# Altium PCB cat.PcbDoc (part 2 of 3)
Units mm, origin at the board's own origin, x right, y up, seen from the top; angles counter-clockwise.
Board outline 65 x 116 mm, 4 copper layers (Top Layer, Layer 2, Layer 3, Bottom Layer), stack 1.518 mm thick; 267 components, 134 nets, 808 pads, 579 vias.
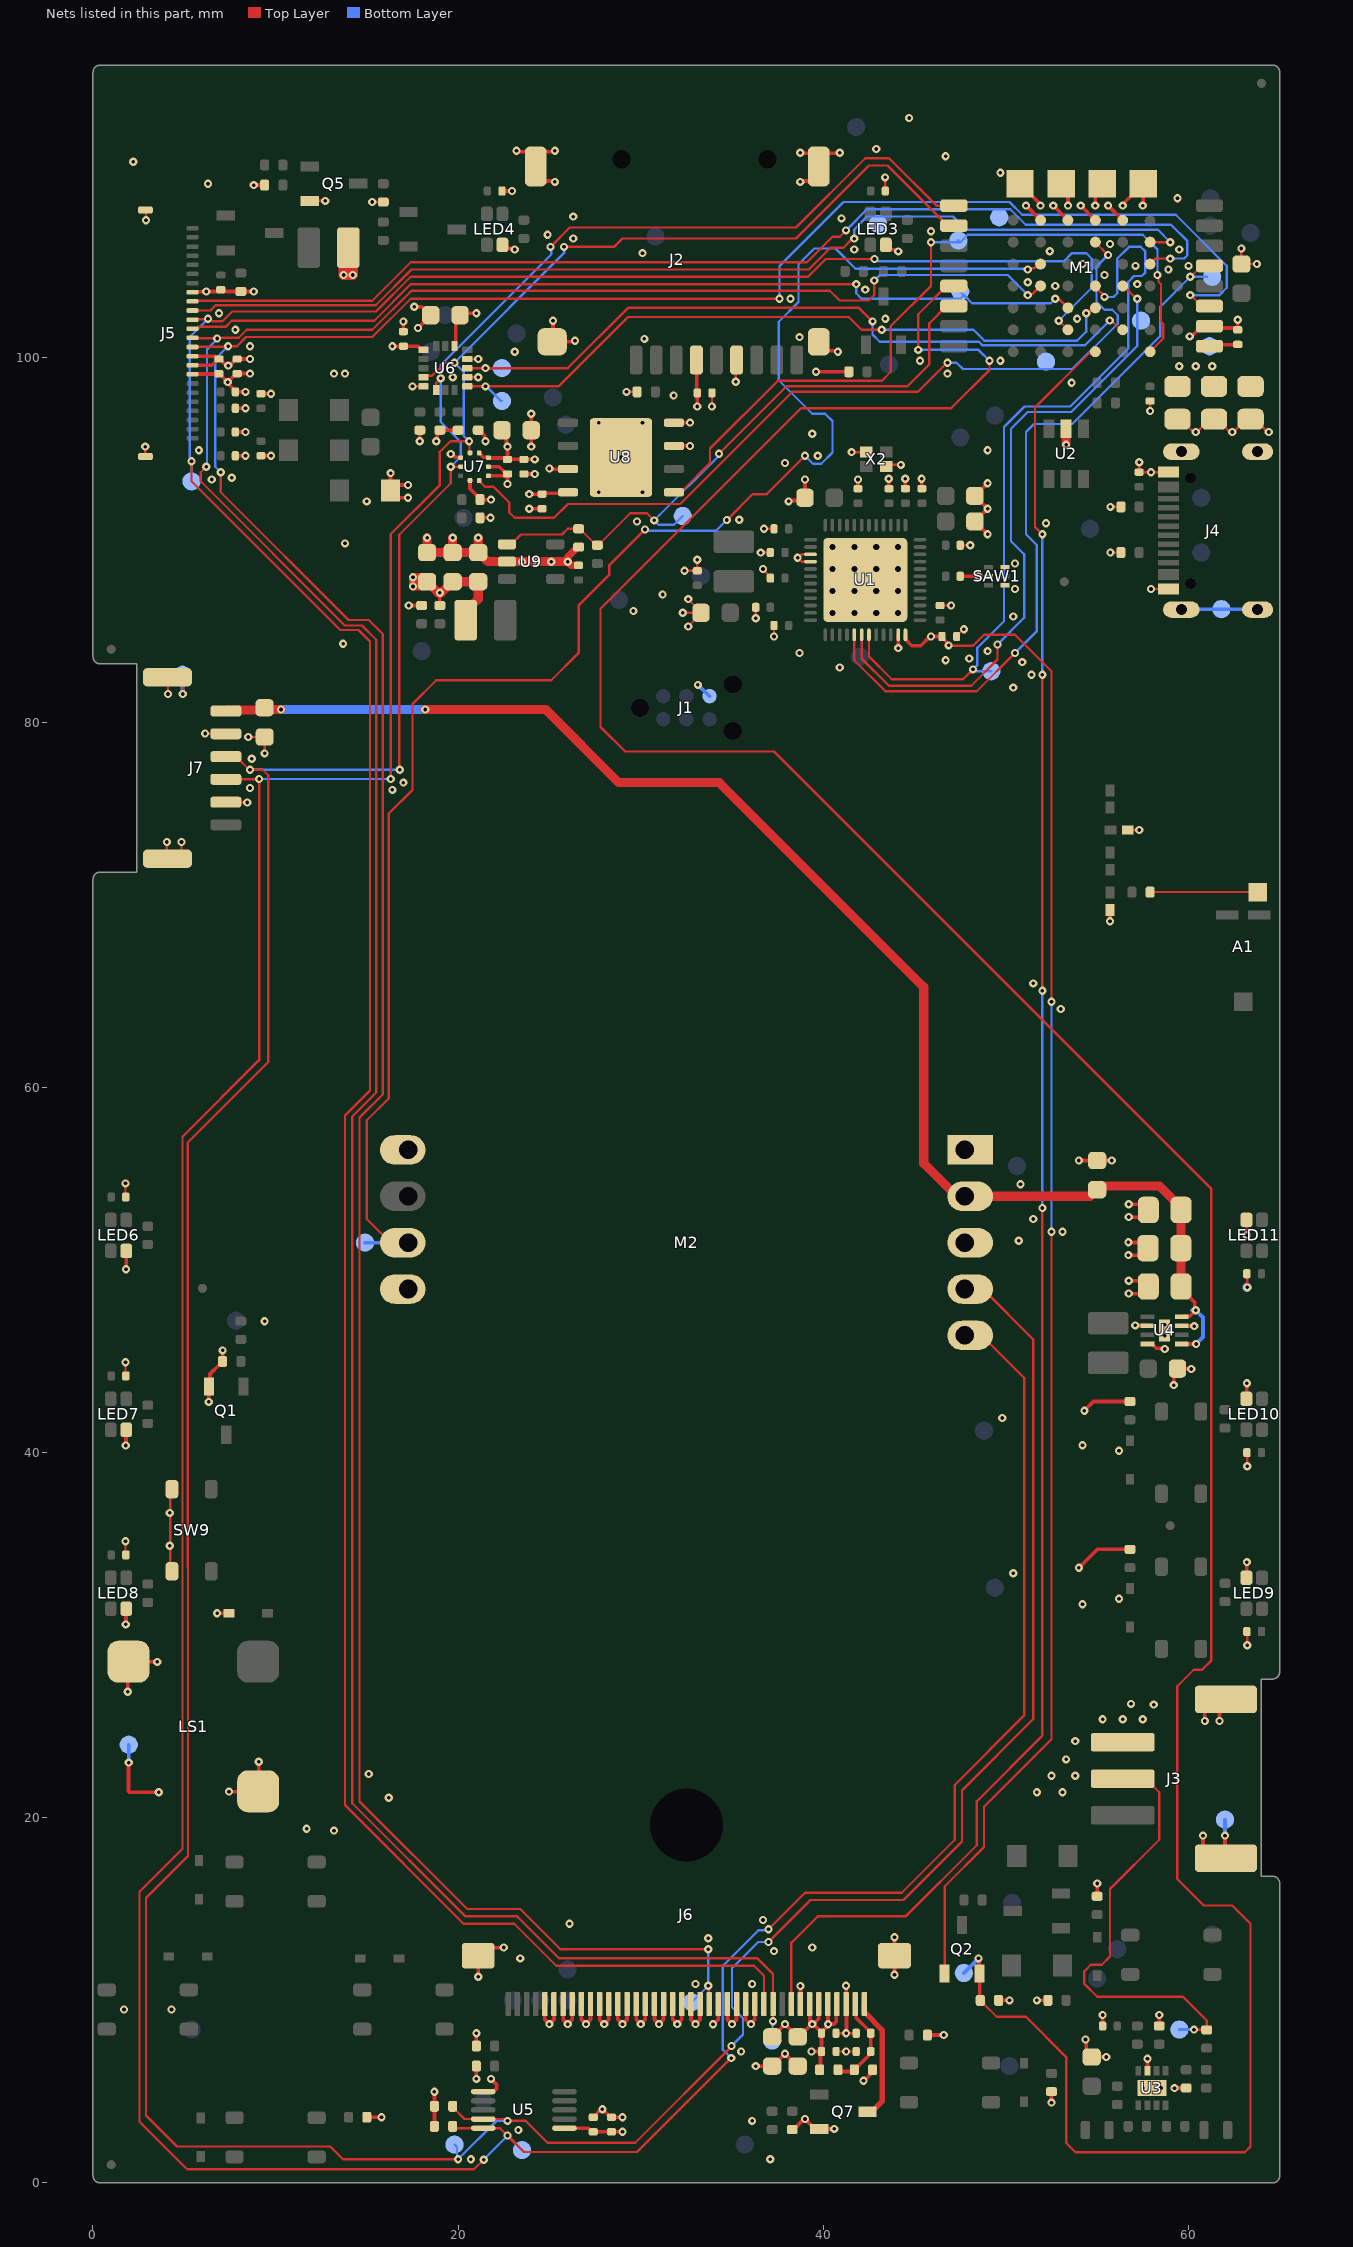
[diagram p4: the nets of this part, all layers, seen from the top]

## Part data (continued)
J4: library part USB4105-GF-A, "USB-C 2.0 Female Connector", Alternate Manufacturer="Korean HROparts Elec", Flammability Rating="UL94 V-0", Insulation Color=Black, Manufacturer="Global Connector Technology", Manufacturer Part Number=TYPE-C-31-M-12, Max Operating Temperature=85°C, Min Operating Temperature=-40°C, Supplier Part Number 1=3588205, Alternate Part Number=USB4105-GF-A, Category="USB Connectors", ComponentLink1Description=https://gct.co/files/drawings/usb4105.pdf?src-supplier=Digi-Key, ComponentLink1URL=https://gct.co/files/drawings/usb4105.pdf?src-supplier=Digi-Key, Connector Type=USB, Contact Plating=Gold, Gender=Receptacle, house_part_number=USB_C_2.0_M12, Mating Cycles=10000, Mounting Technology="Surface Mount,Through Hole,Horizontal", Number of Ports=1, Pricing="1=1, 20=3.07, 60=3.02, 160=2.64, 400=2.63 (EUR)", RoHS=No, Series=USB4105, Shielding=Shielded, Stock=1499, Supplier 1=Farnell, Termination=Solder
J5: library part FH34SRJ-24S-0.5SH, "24-Pin FPC Connector, 0.5mm pitch for E2206KS0E1 E-Paper display", Actuator Color=Black, Flammability Rating="UL94 V-0", Housing Color=Grey, Manufacturer=Hirose, Manufacturer Part Number=FH34SRJ-24S-0.5SH(99), Max Operating Temperature=85°C, Min Operating Temperature=-55°C, Supplier Part Number=2094306, Supplier Part Number 1=H124725CT-ND, Voltage Rating=50V, Actuator Material=Nylon,Polyamide, Category="FFC / FPC", ComponentLink1Description=https://www.hirose.com/product/en/download_file/key_name/FH34SRJ/category/Catalog/doc_file_id/31646/?file_category_id=4&item_id=27&is_series=1&src-supplier=Digikey, ComponentLink1URL=https://www.hirose.com/product/en/download_file/key_name/FH34SRJ/category/Catalog/doc_file_id/31646/?file_category_id=4&item_id=27&is_series=1&src-supplier=Digikey, Contact Material=Bronze, Contact Plating=Gold, contact_side="Top and Bottom contacts", Housing Material=Polymer, Mating Cycles=20, Mounting Technology="Surface Mount", Number of Positions=24, Packaging="Cut Tape", Pins=24, Pricing="500=1.61, 1000=1.59, 1500=1.56 (USD)", RoHS=Yes, RoHS Compliant=Yes, Series=FH34SRJ, Stock=500, Supplier="Future Electronics", Supplier 1=Digikey, Termination=Solder
J6: library part "0.5-40P XJH2.0 043", "40-Pin, 0.5 mm pitch, bottom contact, flat flex connector for LCD CH240QV23A-T", LCD Part Number=CH240QV23A-T, Supplier Part Number 1=C5373441, contact_side="Bottom Contacts", house_part_number="0.5-40P XJH2.0 043", Manufacturer Part Number="0.5-40P XJH2.0 043", Supplier 1=LCSC
J7: library part SM06B-GHS-TB(LF)(SN), "6-Pin JST GH header, 1.25mm pitch, SMD right angle", Manufacturer=JST, Supplier Part Number 1=C133065, Category="Headers and Wire Housings", ComponentLink1Description=https://datasheet.ciiva.com/25617/0900766b810cef18-25617251.pdf?src-supplier=Rs, ComponentLink1URL=https://datasheet.ciiva.com/25617/0900766b810cef18-25617251.pdf?src-supplier=Rs, ComponentLink2Description=https://datasheet.ciiva.com/16487/jstsm06b-ghs-tb-lf-sn-16487196.pdf?src-supplier=Future+Electronics, ComponentLink2URL=https://datasheet.ciiva.com/16487/jstsm06b-ghs-tb-lf-sn-16487196.pdf?src-supplier=Future+Electronics, Manufacturer Part Number=SM06B-GHS-TB(LF)(SN), Pricing 1="5=0.1587, 50=0.1251, 150=0.1087, 500=0.094, 2500=0.09, 5000=0.0876 (USD)", RoHS=Yes, Stock 1=1425, Supplier 1=LCSC
JP1 JP2 JP3 JP4 JP6 JP7 JP8 JP9 JP10 JP12 JP13 JP14 JP15 R10 R11 R22 R38 R39: "0 Ω, 0402 Chip resistor (jumper)", Case Code (Imperial)=0402, Case Code (Metric)=1005, Manufacturer=Yageo, Max Operating Temperature=155°C, Max Power Dissipation=63mW, Min Operating Temperature=-55°C, Power Rating=62.5mW, Temperature Coefficient=200ppm/°C, Tolerance=1%, Voltage Rating=50V, Category="Chip SMD Resistors", Contact Plating=Tin,Matte, Features="Moisture Resistant", Height=0.35mm, house_part_number=R-0-0402-1%-001, Lead Free=5697LeadFree, Length=1mm, Manufacturer Part Number=RC0402FR-070RL, Mounting Technology="Surface Mount", Number of Terminations=2, Packaging="Tape and Reel", Pricing="10000=0.00093 (USD)", RoHS=Yes, RoHS Compliant=Yes, Series=RC, Stock=580000, Supplier 1=Avnet, Supplier Part Number 1=RC0402FR-070RL, Termination=SMD/SMT, Width=0.5mm
  JP1 JP2 JP12 JP13 JP14 JP15 R10 R11 R22 R38 R39: Case/Package=0402
L1 L6: library part L0402-7n5-Multilayer_Murata, "Inductor, 550mA, ±2%, 240mΩ", Manufacturer=Murata, Manufacturer Part Number=LQG15HS7N5G02D, Part number IPS=N.A., Part number NEMS=100300446, Supplier Part Number 1=490-LQG15HS7N5G02DTR-ND, Artikkelnr Noca=N.A., Author=hany, Component Class=Inductors, Component Status=Active, ComponentLink1Description=Datasheet, ComponentLink1URL=https://search.murata.co.jp/Ceramy/image/img/P02/JELF243B-0010.pdf, ComponentLink2Description="Supplier link", ComponentLink2URL=N.A., Footprint Doc=0402, HelpURL=https://search.murata.co.jp/Ceramy/image/img/P02/JELF243B-0010.pdf, LatestRevisionDate=2023-06-06, Note="-55°C ~ 125°C", Pad Count=2, Part Number=L0402-7n5-Multilayer_Murata, Part number Norautron=N.A., PartId=100300446, Published=2023-06-06, Supplier 1=Digi-Key, Supplier 2=Mouser, Supplier Part Number 2=81-LQG15HS7N5J02D
L2: "3.3 μH, 1.8 A, 1008 Inductor", Case Code (Imperial)=1008, Case Code (Metric)=2520, Current Rating=1.8A, DC Resistance (DCR)=135mR, Manufacturer=Murata, Manufacturer Part Number=DFE252012F-3R3M=P2, Max Operating Temperature=125°C, Min Operating Temperature=-40°C, Saturation Current=2.8A, Test Frequency=1MHz, Tolerance=20%, Case/Package=1008, Category="Fixed Inductors", ComponentLink1Description=http://www.murata.com/~/media/webrenewal/products/inductor/chip/tokoproducts/wirewoundmetalalloychiptype/m_dfe252012f.ashx?src-supplier=Digikey, ComponentLink1URL=http://www.murata.com/~/media/webrenewal/products/inductor/chip/tokoproducts/wirewoundmetalalloychiptype/m_dfe252012f.ashx?src-supplier=Digikey, ComponentLink2Description=https://www.murata.com/~/media/webrenewal/products/inductor/chip/tokoproducts/wirewoundmetalalloychiptype/m_dfe252012f.ashx?src-supplier=Digikey, ComponentLink2URL=https://www.murata.com/~/media/webrenewal/products/inductor/chip/tokoproducts/wirewoundmetalalloychiptype/m_dfe252012f.ashx?src-supplier=Digikey, ComponentLink3Description=https://datasheet.octopart.com/DFE252012F-3R3M%3DP2-Murata-datasheet-150009032.pdf?src-supplier=Arrow.cn, ComponentLink3URL=https://datasheet.octopart.com/DFE252012F-3R3M%3DP2-Murata-datasheet-150009032.pdf?src-supplier=Arrow.cn, Core Material=Ferrite, Height - Seated (Max)=0.047inch, house_part_number=L-3.3uH-1008-002, Length=0.098inch, Mounting Technology="Surface Mount", Packaging="Cut Tape", Pricing="1=0.1101 (USD)", RoHS=Yes, RoHS Compliant=Yes, Series=DFE252012F, Shielding=Shielded, Stock=8, Supplier 1="Arrow Electronics", Supplier Part Number 1=DFE252012F-3R3M=P2, Width=0.079inch
L3 L8: "1 μH, 4.2 A, 1008 Inductor", Manufacturer=Sumida, Package=1008, Supplier Part Number 1=308-2603-1-ND, Category="Fixed Inductors", house_part_number=L-1uH-1008-002, Manufacturer Part Number=252012CDMCDDS-1R0MC, Pricing="1=0.55, 10=0.473, 25=0.434, 50=0.3944, 100=0.3511, 250=0.33132, 500=0.284, 1000=0.25245 (USD)", RoHS=No, Stock=45912, Supplier=Digikey
L4: "Drum Core Shielded Power Inductor Wirewound Ferrite 10uH 20% 1MHz 0.85A SMD T/R", Case/Package=2520, Current Rating=850mA, DC Resistance (DCR)=480mR, Manufacturer=Pulse, Max Operating Temperature=125°C, Min Operating Temperature=-40°C, Saturation Current=1.1A, Self Resonant Frequency=14MHz, Supplier Part Number=553-3314-1-ND, Test Frequency=1MHz, Tolerance=20%, Category="Fixed Inductors", ComponentLink1Description=https://datasheet.octopart.com/PA4335.103NLT-Pulse-datasheet-151940520.pdf?src-supplier=Master+Electronics, ComponentLink1URL=https://datasheet.octopart.com/PA4335.103NLT-Pulse-datasheet-151940520.pdf?src-supplier=Master+Electronics, ComponentLink2Description=https://datasheet.octopart.com/PA4335.103NLT-Pulse-datasheet-137333241.pdf?src-supplier=Sager+Electronics, ComponentLink2URL=https://datasheet.octopart.com/PA4335.103NLT-Pulse-datasheet-137333241.pdf?src-supplier=Sager+Electronics, Core Material=Ferrite, Height - Seated (Max)=0.047inch, Length=0.106inch, Manufacturer Part Number=PA4335.103NLT, Mounting Technology="Surface Mount", Packaging="Cut Tape", Pricing="1=0.36, 10=0.309, 25=0.2832, 50=0.2572, 100=0.229, 250=0.21612, 500=0.18526, 1000=0.16467 (USD)", RoHS=Yes, RoHS Compliant=Yes, Series=PA4335, Shielding=Shielded, Stock=13968, Supplier=Digikey, Width=0.087inch
L5 L7: library part L0402-2n7-Multilayer_Murata, "Inductor, 800mA, ±2%, 120mΩ", Manufacturer=Murata, Manufacturer Part Number=LQG15HS2N7B02D, Part number IPS=N.A., Part number NEMS=100300445, Supplier Part Number 1=490-LQG15HS2N7B02DTR-ND, Artikkelnr Noca=N.A., Author=hany, Component Class=Inductors, Component Status=Active, ComponentLink1Description=Datasheet, ComponentLink1URL=https://search.murata.co.jp/Ceramy/image/img/P02/JELF243B-0010.pdf, ComponentLink2Description="Supplier link", ComponentLink2URL=N.A., Footprint Doc=0402, HelpURL=https://search.murata.co.jp/Ceramy/image/img/P02/JELF243B-0010.pdf, LatestRevisionDate=2023-06-06, Note="-55°C ~ 125°C", Pad Count=2, Part Number=L0402-2n7-Multilayer_Murata, Part number Norautron=N.A., PartId=100300445, Published=2023-06-06, Supplier 1=Digi-Key, Supplier 2=Mouser, Supplier Part Number 2=81-LQG15HS2N7B02D
LED1: "Red LED, 1.9 - 2.3 V, 20 mA, 0603", Current=20mA, Forward Voltage=2.3V, Manufacturer=XINGLIGHT, Supplier Part Number 1=C965799, house_part_number=XL-1608SURC-06, Manufacturer Part Number=XL-1608SURC-06, Pricing 1="100=0.0029, 1000=0.0022, 4000=0.0019, 8000=0.0017, 48000=0.0015 (USD)", RoHS=No, Stock 1=3172200, Supplier 1=LCSC
LED2: "Green LED, 2.7 - 3.3 V, 20 mA, 0603", Current=20mA, Forward Voltage=3.3V, Manufacturer=XINGLIGHT, Supplier Part Number 1=C965804, house_part_number=XL-1608UGC-04, Manufacturer Part Number=XL-1608UGC-04, Pricing 1="100=0.0042, 1000=0.0033, 4000=0.0027, 8000=0.0024, 48000=0.0023, 100000=0.0022 (USD)", RoHS=No, Stock 1=2830700, Supplier 1=LCSC
LED3 LED4 LED7 LED9 LED11: library part XL-1615RGBC-WS2812B, "1-wire addressable RGB LED, 1615", Manufacturer=XINGLIGHT, Package=1615, Supplier Part Number 1=C5349954, Manufacturer Part Number=XL-1615RGBC-WS2812B, Pricing 1="10=0.0454, 100=0.0362, 300=0.0315, 1000=0.0276, 4000=0.0263, 8000=0.0253 (USD)", RoHS=No, Stock 1=257799, Supplier 1=LCSC
LED6 LED8 LED10: "1-wire addressable RGB LED, 1615", Manufacturer=XINGLIGHT, Package=1615, Supplier Part Number 1=C5349954, Manufacturer Part Number=XL-1615RGBC-WS2812B, Pricing 1="10=0.0454, 100=0.0362, 300=0.0315, 1000=0.0276, 4000=0.0263, 8000=0.0253 (USD)", RoHS=No, Stock 1=257799, Supplier 1=LCSC
LS1: "16 Ω, 8.5 mm x 8.5 mm, SMD speaker", Manufacturer=S&S, Package=8585, Resistance=16Ω, Supplier Part Number 1=C2685545, Category=Uncategorized, house_part_number=SMD-8503-3627-16, Manufacturer Part Number=SMD-8503-3627-16, Pricing 1="5=0.2676, 50=0.2148, 150=0.1922, 1000=0.1559, 2000=0.1433, 5000=0.1358 (USD)", RoHS=No, Stock 1=6390, Supplier 1=LCSC
M1: library part BT40, "Bluetooth Module: 802.15.1 BLE 5.1, 802.15.4, nRF5340, PCB trace antenna", Manufacturer=Fanstel, Supplier Part Number=1914-BT40CT-ND, Manufacturer Part Number=BT40, Pricing="1=13.74, 10=12.435, 25=11.4536, 100=10.4717, 250=9.8172, 500=9.16272 (USD)", RoHS=No, Stock=407, Supplier=Digikey, Supplier 1=Digikey, Supplier Part Number 1=1914-BT40CT-ND
M2: library part 006-0-0008, "Sensair CO2 sensor", Manufacturer Part Number=006-0-0008
Q1 Q2 Q5 Q6 Q7 Q8: library part AO3400A, "N-FET, 30V, 5.7A, SOT-23-3", Case/Package=SOT-23-3, Continuous Drain Current (ID)=5.7A, Drain to Source Breakdown Voltage=30V, Drain to Source Resistance=18mR, Input Capacitance=630pF, Manufacturer="Alpha & Omega Semiconductor", Max Operating Temperature=150°C, Max Power Dissipation=1.4W, Min Operating Temperature=-55°C, Threshold Voltage=650mV, Category=MOSFETs, ComponentLink1Description=https://datasheet.ciiva.com/940/ao3400a-940739.pdf?src-supplier=Digikey, ComponentLink1URL=https://datasheet.ciiva.com/940/ao3400a-940739.pdf?src-supplier=Digikey, ComponentLink2Description=https://datasheet.ciiva.com/26906/getdatasheetpartid-64438-26906526.pdf?src-supplier=Verical, ComponentLink2URL=https://datasheet.ciiva.com/26906/getdatasheetpartid-64438-26906526.pdf?src-supplier=Verical, ComponentLink3Description=https://datasheet.ciiva.com/940/ao3400a-940740.pdf?src-supplier=Digikey, ComponentLink3URL=https://datasheet.ciiva.com/940/ao3400a-940740.pdf?src-supplier=Digikey, ComponentLink4Description=https://datasheet.ciiva.com/940/ao3400a-940741.pdf?src-supplier=Digikey, ComponentLink4URL=https://datasheet.ciiva.com/940/ao3400a-940741.pdf?src-supplier=Digikey, Drain to Source Voltage (Vdss)=30V, Height=1.25mm, house_part_number=AO3400A, Lead Free="Lead Free", Manufacturer Part Number=AO3400A, Mounting Technology="Surface Mount", Number of Channels=1NUMBER, Packaging="Cut Tape", Pricing="3000=0.0899, 6000=0.0869, 9000=0.0763, 30000=0.0746, 75000=0.0627 (USD)", Rds On Max=26.5mR, RoHS=Yes, RoHS Compliant=Yes, Series=-, Stock=141000, Supplier="Arrow Electronics", Supplier Part Number 1=AO3400A, Turn-Off Delay Time=25ns, Turn-On Delay Time=3ns
Q3 Q4: library part AO3415A, "P-FET, 30V, 6A, SOT-23-3", Case/Package=SOT-23-3, Continuous Drain Current (ID)=5A, Drain to Source Voltage (Vdss)=20V, Input Capacitance=940pF, Manufacturer="Alpha & Omega Semiconductor", Max Operating Temperature=150°C, Max Power Dissipation=1.5W, Min Operating Temperature=-55°C, Supplier Part Number 1=C133233, Threshold Voltage=8mV, Category=MOSFETs, ComponentLink1Description=https://datasheet.ciiva.com/940/ao3415-940752.pdf?src-supplier=Digikey, ComponentLink1URL=https://datasheet.ciiva.com/940/ao3415-940752.pdf?src-supplier=Digikey, ComponentLink2Description=https://datasheet.ciiva.com/940/ao3415-940753.pdf?src-supplier=Digikey, ComponentLink2URL=https://datasheet.ciiva.com/940/ao3415-940753.pdf?src-supplier=Digikey, house_part_number=AO3415A, Manufacturer Part Number=AO3415A, Mounting Technology="Surface Mount", Packaging="Cut Tape", Pins=3, Pricing="3000=0.3033, 6000=0.3003, 9000=0.2972, 15000=0.2942, 24000=0.2912, 30000=0.2881 (USD)", Rds On Max=45mΩ, RoHS=Yes, RoHS Compliant=Yes, Series=-, Stock=21000, Supplier="Arrow Electronics", Supplier 1=LCSC, Supplier Part Number=AO3415A, Turn-Off Delay Time=19ps, Turn-On Delay Time=13ps
R1 R2 R3 R4 R14 R16 R26 R36 R37: "5.1 kΩ, 0402 Chip resistor", Case Code (Imperial)=0402, Case Code (Metric)=1005, Manufacturer=Yageo, Max Operating Temperature=155°C, Max Power Dissipation=63mW, Min Operating Temperature=-55°C, Package Quantity=1, Resistance Tolerance=1%, Resistor Type="Thick Film", Supplier Part Number 1=6053649, Temperature Coefficient=100ppm/°C, Voltage Rating=50V, Case/Package=0402, Category="Chip SMD Resistors", ComponentLink1Description=https://datasheet.ciiva.com/7983/1018594-7983519.pdf?src-supplier=Element14, ComponentLink1URL=https://datasheet.ciiva.com/7983/1018594-7983519.pdf?src-supplier=Element14, ComponentLink2Description=https://datasheet.ciiva.com/46394/1018594-46394936.pdf?src-supplier=Element14, ComponentLink2URL=https://datasheet.ciiva.com/46394/1018594-46394936.pdf?src-supplier=Element14, ComponentLink3Description=https://datasheet.ciiva.com/2453/pyu-r-int-thick-7-2453401.pdf?src-supplier=Digikey, ComponentLink3URL=https://datasheet.ciiva.com/2453/pyu-r-int-thick-7-2453401.pdf?src-supplier=Digikey, ComponentLink4Description=https://datasheet.ciiva.com/2453/pyu-r-int-thick-7-2453402.pdf?src-supplier=Digikey, ComponentLink4URL=https://datasheet.ciiva.com/2453/pyu-r-int-thick-7-2453402.pdf?src-supplier=Digikey, ComponentLink5Description=https://datasheet.ciiva.com/2453/pyu-r-int-thick-7-2453400.pdf?src-supplier=Digikey, ComponentLink5URL=https://datasheet.ciiva.com/2453/pyu-r-int-thick-7-2453400.pdf?src-supplier=Digikey, ComponentLink6Description=https://datasheet.ciiva.com/12558/pyu-rc0402-51-rohs-l-6-r-8721-12558460.pdf?src-supplier=Mouser, ComponentLink6URL=https://datasheet.ciiva.com/12558/pyu-rc0402-51-rohs-l-6-r-8721-12558460.pdf?src-supplier=Mouser, ComponentLink7Description=https://datasheet.ciiva.com/16744/pyu-rc0402-51-rohs-l-6-r-16744283.pdf?src-supplier=Future+Electronics, ComponentLink7URL=https://datasheet.ciiva.com/16744/pyu-rc0402-51-rohs-l-6-r-16744283.pdf?src-supplier=Future+Electronics, ComponentLink8Description=https://datasheet.ciiva.com/15189/getdatasheetpartid-323636-15189493.pdf?src-supplier=Verical, ComponentLink8URL=https://datasheet.ciiva.com/15189/getdatasheetpartid-323636-15189493.pdf?src-supplier=Verical, Construction=Rectangular, Depth=0.5mm, Features="Moisture Resistant", Height=0.016inch, house_part_number=R-5.1k-0402-1%-001, Lead Free=5697LeadFree, Length=1mm, Manufacturer Part Number=RC0402FR-075K1L, Military Standard=Not, Number of Terminations=2, Packaging="Tape and Reel", Power Rating=63mW, Pricing="10000=0.0024, 50000=0.0023, 250000=0.0021, 500000=0.0021, 1500000=0.0019 (USD)", Reach SVHC Compliant=Unknown, RoHS=Yes, RoHS Compliant=Yes, Series=RC, Stock=1190000, Supplier 1="Future Electronics", Technology="THICK FILM", Termination=SMD/SMT, Tolerance=1%, Voltage Rating (DC)=50V, Width=0.02inch, Working Voltage=50V
R5 R17 R18 R20 R28 R31 R44 R45: "1 kΩ, 0402 Chip resistor", Case Code (Imperial)=0402, Case Code (Metric)=1005, Manufacturer=Yageo, Max Operating Temperature=155°C, Max Power Dissipation=63mW, Min Operating Temperature=-55°C, Package Quantity=1, Power Rating=62.5mW, Resistance Tolerance=5%, Resistor Type="Thick Film", Supplier Part Number 1=311-1.0KJRCT-ND, Temperature Coefficient=100ppm/°C, Voltage Rating=50V, Case/Package=0402, Category="Chip SMD Resistors", ComponentLink1Description=https://datasheet.ciiva.com/7983/1018594-7983558.pdf?src-supplier=Element14, ComponentLink1URL=https://datasheet.ciiva.com/7983/1018594-7983558.pdf?src-supplier=Element14, ComponentLink2Description=https://datasheet.ciiva.com/2452/pyu-r-int-thick-7-2452756.pdf?src-supplier=Digikey, ComponentLink2URL=https://datasheet.ciiva.com/2452/pyu-r-int-thick-7-2452756.pdf?src-supplier=Digikey, ComponentLink3Description=https://datasheet.ciiva.com/2452/pyu-r-int-thick-7-2452757.pdf?src-supplier=Digikey, ComponentLink3URL=https://datasheet.ciiva.com/2452/pyu-r-int-thick-7-2452757.pdf?src-supplier=Digikey, ComponentLink4Description=https://datasheet.ciiva.com/2452/pyu-r-int-thick-7-2452755.pdf?src-supplier=Digikey, ComponentLink4URL=https://datasheet.ciiva.com/2452/pyu-r-int-thick-7-2452755.pdf?src-supplier=Digikey, ComponentLink5Description=https://datasheet.ciiva.com/7850/1018594-7850170.pdf?src-supplier=Element14, ComponentLink5URL=https://datasheet.ciiva.com/7850/1018594-7850170.pdf?src-supplier=Element14, ComponentLink6Description=https://datasheet.ciiva.com/7850/1018594-7850171.pdf?src-supplier=Element14, ComponentLink6URL=https://datasheet.ciiva.com/7850/1018594-7850171.pdf?src-supplier=Element14, ComponentLink7Description=https://datasheet.ciiva.com/17081/pyu-rc0402-51-rohs-l-6-r-17081438.pdf?src-supplier=Future+Electronics, ComponentLink7URL=https://datasheet.ciiva.com/17081/pyu-rc0402-51-rohs-l-6-r-17081438.pdf?src-supplier=Future+Electronics, Features="Moisture Resistant", Height=0.016inch, house_part_number=R-1k-0402-1%-001, Lead Free=5697LeadFree, Length=0.039inch, Manufacturer Part Number=RC0402JR-071KL, Number of Terminations=2, Packaging="Cut Tape", Pricing="1=0.1, 10=0.018, 50=0.0102, 100=0.0083, 500=0.00528, 1000=0.00444, 5000=0.00307 (USD)", Reach SVHC Compliant=No, RoHS=Yes, RoHS Compliant=Yes, Series=RC, Stock=15490862, Supplier 1=Digikey, Termination=SMD/SMT, Tolerance=5%, Voltage Rating (AC)=50V, Width=0.02inch
R6 R27 R29 R32 R40 R41: "10 kΩ, 0402 Chip resistor", Case Code (Imperial)=0402, Case Code (Metric)=1005, Manufacturer=Yageo, Max Operating Temperature=155°C, Max Power Dissipation=63mW, Min Operating Temperature=-55°C, Power Rating=62.5mW, Resistance Tolerance=1%, Resistor Type="Thick Film", Supplier Part Number 1=311-10.0KLRCT-ND, Temperature Coefficient=100ppm/°C, Voltage Rating=50V, Case/Package=0402, Category="Chip SMD Resistors", ComponentLink1Description=https://datasheet.ciiva.com/12667/pyu-rc0402-51-rohs-l-6-r-12667067.pdf?src-supplier=Mouser, ComponentLink1URL=https://datasheet.ciiva.com/12667/pyu-rc0402-51-rohs-l-6-r-12667067.pdf?src-supplier=Mouser, Construction=Rectangular, Depth=0.5mm, Features="Moisture Resistant", house_part_number=R-10k-0402-1%-001, Lead Free=5697LeadFree, Lead Pitch=0.2mm, Length=1mm, Manufacturer Part Number=RC0402FR-0710KL, Military Standard=Not, Number of Terminations=2, Packaging="Tape and Reel", Pins=2, Pricing="1=0.1, 10=0.015, 50=0.0088, 100=0.0073, 500=0.00488, 1000=0.00417, 5000=0.00297 (USD)", Reach SVHC Compliant=Unknown, RoHS=Yes, RoHS Compliant=Yes, Series=RC, Stock=9380606, Supplier 1=Digikey, Termination=SMD/SMT, Tolerance=1%, Voltage Rating (DC)=50V, Width=0.5mm
R7 R23 R24 R25 R42: "100 kΩ, 0402 Chip resistor", Case Code (Imperial)=0402, Case Code (Metric)=1005, Manufacturer=Yageo, Max Operating Temperature=155°C, Max Power Dissipation=63mW, Min Operating Temperature=-55°C, Package Quantity=1, Resistance Tolerance=1%, Resistor Type="Thick Film", Supplier Part Number 1=6468466, Temperature Coefficient=100ppm/°C, Voltage Rating=50V, Case/Package=0402, Category="Chip SMD Resistors", ComponentLink1Description=https://datasheet.ciiva.com/11819/0900766b80c66297-11819452.pdf?src-supplier=Rs, ComponentLink1URL=https://datasheet.ciiva.com/11819/0900766b80c66297-11819452.pdf?src-supplier=Rs, ComponentLink2Description=https://datasheet.ciiva.com/22747/1018594-22747509.pdf?src-supplier=Element14, ComponentLink2URL=https://datasheet.ciiva.com/22747/1018594-22747509.pdf?src-supplier=Element14, ComponentLink3Description=https://datasheet.ciiva.com/2453/pyu-r-int-thick-7-2453362.pdf?src-supplier=Digikey, ComponentLink3URL=https://datasheet.ciiva.com/2453/pyu-r-int-thick-7-2453362.pdf?src-supplier=Digikey, ComponentLink4Description=https://datasheet.ciiva.com/12667/pyu-rc0402-51-rohs-l-6-r-12667930.pdf?src-supplier=Mouser, ComponentLink4URL=https://datasheet.ciiva.com/12667/pyu-rc0402-51-rohs-l-6-r-12667930.pdf?src-supplier=Mouser, ComponentLink5Description=https://datasheet.ciiva.com/15189/getdatasheetpartid-323696-15189334.pdf?src-supplier=Verical, ComponentLink5URL=https://datasheet.ciiva.com/15189/getdatasheetpartid-323696-15189334.pdf?src-supplier=Verical, ComponentLink6Description=https://datasheet.ciiva.com/2453/pyu-r-int-thick-7-2453363.pdf?src-supplier=Digikey, ComponentLink6URL=https://datasheet.ciiva.com/2453/pyu-r-int-thick-7-2453363.pdf?src-supplier=Digikey, ComponentLink7Description=https://datasheet.ciiva.com/2453/pyu-r-int-thick-7-2453361.pdf?src-supplier=Digikey, ComponentLink7URL=https://datasheet.ciiva.com/2453/pyu-r-int-thick-7-2453361.pdf?src-supplier=Digikey, Construction=Rectangular, Depth=0.5mm, Features="Moisture Resistant", Height=0.016inch, house_part_number=R-100k-0402-1%-001, Lead Free=5697LeadFree, Length=0.039inch, Manufacturer Part Number=RC0402FR-07100KL, Military Standard=Not, Number of Terminations=2, Packaging="Tape and Reel", Power Rating=63mW, Pricing="10000=0.0012, 50000=0.0011, 100000=0.0011, 250000=0.001, 300000=0.001, 500000=0.001, 750000=0.001, 1500000=0.0009, 2000000=0.0009 (USD)", Reach SVHC Compliant=No, RoHS=Yes, RoHS Compliant=Yes, Series=RC, Stock=44340000, Supplier 1="Future Electronics", Technology="THICK FILM", Termination=SMD/SMT, Tolerance=1%, Voltage Rating (AC)=50V, Width=0.02inch
R8 R9: "2.2 kΩ, 0402 Chip resistor", Case Code (Imperial)=0402, Case Code (Metric)=1005, Manufacturer=Yageo, Max Operating Temperature=155°C, Max Power Dissipation=63mW, Min Operating Temperature=-55°C, Power Rating=62.5mW, Resistance Tolerance=1%, Resistor Type="Thick Film", Supplier Part Number 1=9737263, Temperature Coefficient=100ppm/°C, Voltage Rating=50V, Case/Package=0402, Category="Chip SMD Resistors", ComponentLink1Description=https://datasheet.ciiva.com/11808/0900766b80c66297-11808786.pdf?src-supplier=Rs, ComponentLink1URL=https://datasheet.ciiva.com/11808/0900766b80c66297-11808786.pdf?src-supplier=Rs, ComponentLink2Description=https://datasheet.ciiva.com/7983/1018594-7983515.pdf?src-supplier=Element14, ComponentLink2URL=https://datasheet.ciiva.com/7983/1018594-7983515.pdf?src-supplier=Element14, ComponentLink3Description=https://datasheet.ciiva.com/12577/pyu-rc0402-51-rohs-l-6-r-12577429.pdf?src-supplier=Mouser, ComponentLink3URL=https://datasheet.ciiva.com/12577/pyu-rc0402-51-rohs-l-6-r-12577429.pdf?src-supplier=Mouser, ComponentLink4Description=https://datasheet.ciiva.com/46383/1018594-46383563.pdf?src-supplier=Element14, ComponentLink4URL=https://datasheet.ciiva.com/46383/1018594-46383563.pdf?src-supplier=Element14, ComponentLink5Description=https://datasheet.ciiva.com/7849/1018594-7849929.pdf?src-supplier=Element14, ComponentLink5URL=https://datasheet.ciiva.com/7849/1018594-7849929.pdf?src-supplier=Element14, ComponentLink6Description=https://datasheet.ciiva.com/7849/1018594-7849928.pdf?src-supplier=Element14, ComponentLink6URL=https://datasheet.ciiva.com/7849/1018594-7849928.pdf?src-supplier=Element14, ComponentLink7Description=https://datasheet.ciiva.com/16741/pyu-rc0402-51-rohs-l-6-r-16741015.pdf?src-supplier=Future+Electronics, ComponentLink7URL=https://datasheet.ciiva.com/16741/pyu-rc0402-51-rohs-l-6-r-16741015.pdf?src-supplier=Future+Electronics, Construction=Rectangular, Depth=0.5mm, Features="Moisture Resistant", Height=0.35mm, house_part_number=R-2.2k-0402-1%-001, Lead Free="Lead Free", Length=1mm, Manufacturer Part Number=RC0402FR-072K2L, Military Standard=Not, Number of Terminations=2, Packaging="Tape and Reel", Pricing="1=0.1, 20=0.0673, 150=0.0454, 1000=0.0247, 5000=0.0072 (USD)", Reach SVHC Compliant=No, RoHS=Yes, RoHS Compliant=Yes, Series=RC, Stock=4866, Supplier 1="Future Electronics", Technology="THICK FILM", Termination=SMD/SMT, Tolerance=1%, Voltage Rating (AC)=50V, Weight=2.3E-05oz, Width=0.5mm
R12 R13: "1 Ω, 0402 Chip resistor", Case/Package=0402, Manufacturer=Uniroyal, Supplier Part Number 1=C25086, house_part_number=R-1-0402-1%-001, Manufacturer Part Number=0402WGF100KTCE, Pricing="100=0.0008, 1000=0.0006, 3000=0.0005, 50000=0.0004 (USD)", RoHS=No, Stock=596300, Supplier=LCSC
R15 R21: library part RC0402JR-071KL, "1 kΩ, 0402 Chip resistor", Case Code (Imperial)=0402, Case Code (Metric)=1005, Manufacturer=Yageo, Max Operating Temperature=155°C, Max Power Dissipation=63mW, Min Operating Temperature=-55°C, Package Quantity=1, Power Rating=62.5mW, Resistance Tolerance=5%, Resistor Type="Thick Film", Supplier Part Number 1=311-1.0KJRCT-ND, Temperature Coefficient=100ppm/°C, Voltage Rating=50V, Case/Package=0402, Category="Chip SMD Resistors", ComponentLink1Description=https://datasheet.ciiva.com/7983/1018594-7983558.pdf?src-supplier=Element14, ComponentLink1URL=https://datasheet.ciiva.com/7983/1018594-7983558.pdf?src-supplier=Element14, ComponentLink2Description=https://datasheet.ciiva.com/2452/pyu-r-int-thick-7-2452756.pdf?src-supplier=Digikey, ComponentLink2URL=https://datasheet.ciiva.com/2452/pyu-r-int-thick-7-2452756.pdf?src-supplier=Digikey, ComponentLink3Description=https://datasheet.ciiva.com/2452/pyu-r-int-thick-7-2452757.pdf?src-supplier=Digikey, ComponentLink3URL=https://datasheet.ciiva.com/2452/pyu-r-int-thick-7-2452757.pdf?src-supplier=Digikey, ComponentLink4Description=https://datasheet.ciiva.com/2452/pyu-r-int-thick-7-2452755.pdf?src-supplier=Digikey, ComponentLink4URL=https://datasheet.ciiva.com/2452/pyu-r-int-thick-7-2452755.pdf?src-supplier=Digikey, ComponentLink5Description=https://datasheet.ciiva.com/7850/1018594-7850170.pdf?src-supplier=Element14, ComponentLink5URL=https://datasheet.ciiva.com/7850/1018594-7850170.pdf?src-supplier=Element14, ComponentLink6Description=https://datasheet.ciiva.com/7850/1018594-7850171.pdf?src-supplier=Element14, ComponentLink6URL=https://datasheet.ciiva.com/7850/1018594-7850171.pdf?src-supplier=Element14, ComponentLink7Description=https://datasheet.ciiva.com/17081/pyu-rc0402-51-rohs-l-6-r-17081438.pdf?src-supplier=Future+Electronics, ComponentLink7URL=https://datasheet.ciiva.com/17081/pyu-rc0402-51-rohs-l-6-r-17081438.pdf?src-supplier=Future+Electronics, Features="Moisture Resistant", Height=0.016inch, house_part_number=R-1k-0402-1%-001, Lead Free=5697LeadFree, Length=0.039inch, Manufacturer Part Number=RC0402JR-071KL, Number of Terminations=2, Packaging="Cut Tape", Pricing="1=0.1, 10=0.018, 50=0.0102, 100=0.0083, 500=0.00528, 1000=0.00444, 5000=0.00307 (USD)", Reach SVHC Compliant=No, RoHS=Yes, RoHS Compliant=Yes, Series=RC, Stock=15490862, Supplier 1=Digikey, Termination=SMD/SMT, Tolerance=5%, Voltage Rating (AC)=50V, Width=0.02inch